# KiCad board panel_rp2350_20x20_temp.kicad_pcb (continued)
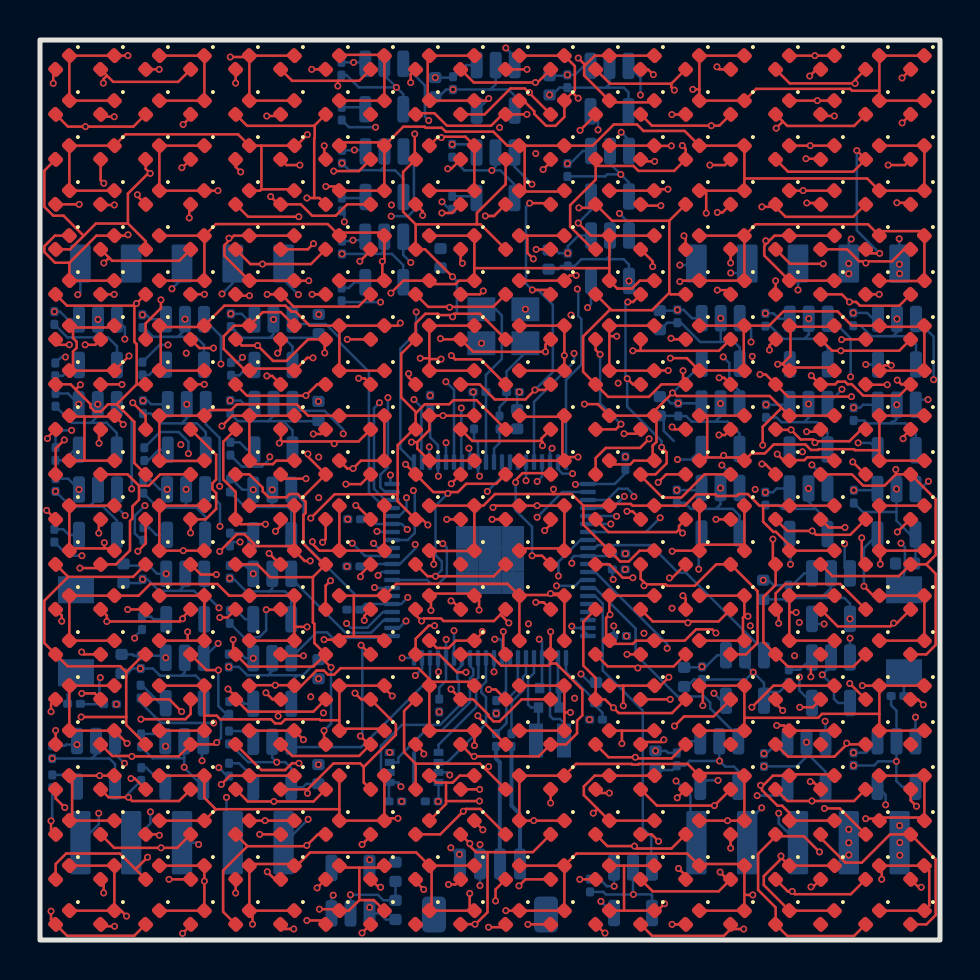
[diagram p0: board, top side]
## Routing (per net, layer and track width the routed paths; a pad name or vN(x,y) marks a point on that pad's centre or on a via; arc(x,y) is an arc through that point) (continued)
Net-(D201-A): length 110.9
  Top w0.127: D216.2 22.81,22.81 21.31,22.81 20.89,22.4 20.39,22.4 ; v1(20.57,29.22) 20.76,29.03 22.03,29.03 D217.2 ; D218.2 22.66,31.66 20.48,31.66 ; v1(18.28,23.78) D205.2 19.67,22.4 20.39,22.4 ; D203.2 19.41,31.66 20.48,31.66 ; D201.2 18.84,41.34 19.72,41.34 20.34,40.71 22.56,40.71 23.12,41.28 D220.2 v1(24.35,41.28) ; D213.2 21.89,11.17 v1(21.89,11.21) ; v1(19.13,36.23) 19.13,36.43 D202.2 ; 20.48,31.66 v1(20.48,31.63) ; v1(22.43,0.64) 23.14,0.64 D211.2 ; 20.39,22.4 v1(20.39,22.33) ; v1(18.43,28.32) 18.43,28.13 D204.2 ; v1(19.19,9.3) 19.19,9.37 D208.2 ; v1(19.73,15.72) 19.44,15.72 18.78,15.06 D207.2 19.96,14.28 20.85,13.39 v1(21.3,13.39) ; D219.2 22.7,36.2 v1(22.27,36.2) ; v1(23.16,15.42) 23.16,14.4 D214.2 ; D209.2 20.01,5.28 v1(21.16,6.44) 21.28,6.55 22.01,6.55 D212.2 ; D206.2 19.38,18.19 v1(19.78,18.19) 22.69,18.19 D215.2
  In3.Cu w0.127: v1(19.73,15.72) 19.91,15.9 19.91,18.05 v1(19.78,18.19) ; 20.57,29.22 v1(20.57,29.22) ; 20.57,29.22 20.42,29.07 20.42,28.85 19.07,27.51 19.07,24.57 v1(18.28,23.78) ; 20.57,29.22 20.57,30.54 20.27,30.84 20.27,31.42 v1(20.48,31.63) 22.27,33.42 v1(22.27,36.2) 23.98,37.91 23.98,40.91 v1(24.35,41.28) ; v1(19.19,9.3) 19.19,13.22 19.75,13.77 20.92,13.77 v1(21.3,13.39) ; v1(21.89,11.21) 21.17,10.49 21.17,6.45 v1(21.16,6.44) 21.11,6.39 21.11,4.68 21.34,4.45 21.34,2.71 21.12,2.49 21.12,1.95 v1(22.43,0.64)
  In4.Cu w0.127: v1(21.89,11.21) 19.98,9.3 v1(19.19,9.3) ; v1(20.57,29.22) 20.57,29 19.88,28.32 v1(18.43,28.32) ; v1(23.16,15.42) 23.16,14.88 21.67,13.39 v1(21.3,13.39) ; v1(22.27,36.2) 22.04,35.97 19.39,35.97 v1(19.13,36.23) ; v1(18.28,23.78) 18.12,23.94 14.25,23.94 13.99,23.69 13.05,23.69 12.58,24.16 v1(11.49,24.16)
  Bottom w0.127: v1(20.39,22.33) 19.77,21.71 19.77,19.24 20.09,18.93 20.09,18.5 v1(19.78,18.19) ; v1(11.49,24.16) 11.49,24.07 11.1,23.67 10.09,23.67 R19.2
Net-(D221-A): length 111.9
  Top w0.127: 22.38,4.39 22.38,1.39 21.78,0.79 v1(21.75,0.79) 21.04,0.79 D230.2 ; 22.38,4.39 24.64,4.39 D232.2 ; 22.38,4.39 21.8,4.39 21.49,4.7 v1(21.49,4.82) 21.49,4.82 D229.2 ; v1(25.53,15.42) D234.2 25.53,13.82 ; D238.2 25.31,32.5 v1(24.62,32.5) ; D237.2 25.25,27.5 v1(24.74,27.5) 24.27,27.03 22.74,27.03 21.98,27.78 D224.2 ; D221.2 22.23,41.28 23.52,42.58 24.24,42.58 24.45,42.36 ; D235.2 25.1,19.21 v1(24.6,19.21) ; 25.53,13.82 25.43,13.72 23.06,13.72 22.49,14.28 D227.2 ; 25.53,13.82 25.81,13.82 27.12,12.52 27.12,11.23 26.85,10.97 26.85,10.33 26.3,9.78 D233.2 24.93,9.18 v1(21.71,9.18) 21.63,9.18 D228.2 ; D231.2 v1(24.4,0.78) ; v1(20.56,22.81) D225.2 ; D236.2 25.47,23.34 24.12,23.34 23.78,23 v1(23.78,22.88) ; v1(24.47,42.38) 24.45,42.36 ; 24.45,42.36 D240.2 ; D239.2 25.47,36.84 v1(24.48,36.84) ; D222.2 20.6,36.35 v1(20.09,36.35) ; D223.2 21.99,32.28 v1(22.16,32.45)
  In3.Cu w0.127: v1(24.48,36.84) 24.23,37.1 24.23,39.67 24.72,40.16 24.72,41.96 24.47,42.2 v1(24.47,42.38) ; v1(24.6,19.21) 24.37,18.97 24.37,16.58 v1(25.53,15.42) ; v1(23.78,22.88) 23.78,26.54 v1(24.74,27.5) ; v1(21.71,9.18) 21.59,9.06 21.59,4.92 v1(21.49,4.82)
  In4.Cu w0.127: v1(7.42,24.32) 8.16,23.58 12.8,23.58 12.95,23.43 14.4,23.43 14.67,23.16 17.09,23.16 17.44,22.81 18.48,22.81 18.57,22.9 18.75,22.9 18.85,22.81 v1(20.56,22.81) 23.71,22.81 v1(23.78,22.88) ; v1(24.48,36.84) 20.59,36.84 v1(20.09,36.35) ; v1(22.16,32.45) 22.21,32.5 v1(24.62,32.5) ; v1(24.4,0.78) 24.17,1 21.96,1 v1(21.75,0.79)
  Bottom w0.127: R20.2 6,25.4 6.93,25.4 7.42,24.91 v1(7.42,24.32) ; v1(24.74,27.5) 25.64,28.4 25.64,31.76 24.9,32.5 v1(24.62,32.5) 24.3,32.82 24.3,36.66 v1(24.48,36.84) ; v1(24.6,19.21) 24.6,20.66 23.78,21.49 v1(23.78,22.88)
Net-(D241-A): length 136.6
  Top w0.127: v1(31.6,25.65) 31.73,25.53 D256.2 ; D250.2 v1(26.99,3.03) ; 31.95,20.52 v1(32.13,20.35) ; 31.95,20.52 31.95,20.7 D255.2 ; 31.95,20.52 31.83,20.4 28.42,20.4 D246.2 ; v1(31.55,30.09) 31.61,30.03 D257.2 ; 31.56,42.81 D260.2 ; 31.56,42.81 31.56,42.65 v1(31.72,42.49) ; 31.56,42.81 28.5,42.81 D241.2 ; v1(31.93,3.57) 32.28,3.22 D251.2 ; D245.2 28.79,25.53 v1(29.05,25.79) ; v1(32.12,39.72) 32.28,39.56 D259.2 31.71,38.46 29.92,38.46 29.68,38.7 27.78,38.7 ; 27.78,38.7 27.78,38.02 26.51,36.74 26.51,35.67 27.65,34.53 D243.2 ; 27.78,38.7 D242.2 ; v1(32.15,17.22) 32.28,17.08 D254.2 ; v1(28.46,7.35) 27.97,7.35 D249.2 ; D253.2 31.6,11.35 28.94,11.35 v1(28.67,11.61) 28.25,12.03 D248.2 27.78,13.1 27.17,13.72 27.17,15.92 D247.2 ; D252.2 v1(31.86,7.11) ; v1(28.01,29.28) 27.78,29.51 D244.2 ; D258.2 32.28,35.13 v1(32.2,35.21)
  In3.Cu w0.127: 32.39,30.76 32.39,35.01 v1(32.2,35.21) 32.12,35.29 v1(32.12,39.72) 32.12,42.09 v1(31.72,42.49) ; 32.39,30.76 32.22,30.76 v1(31.55,30.09) ; 32.39,30.76 32.57,30.58 32.57,26.62 v1(31.6,25.65) 32.26,25 32.26,20.48 v1(32.13,20.35) 32.32,20.16 32.32,17.39 v1(32.15,17.22) ; v1(28.46,7.35) 28.67,7.56 v1(28.67,11.61) 28.42,11.86 28.42,14.86 27.86,15.42 27.86,24.6 v1(29.05,25.79) ; v1(31.86,7.11) 31.93,7.04 v1(31.93,3.57)
  In4.Cu w0.127: v1(1.58,25.48) 2.78,25.48 3.49,26.19 18.46,26.19 20.44,24.21 23.62,24.21 24.58,25.18 28.43,25.18 v1(29.05,25.79) 31.46,25.79 v1(31.6,25.65) ; v1(28.46,7.35) 28.7,7.11 v1(31.86,7.11) ; v1(31.93,3.57) 27.53,3.57 v1(26.99,3.03)
  Bottom w0.127: v1(29.05,25.79) 28.01,26.84 v1(28.01,29.28) ; R21.2 0.77,25.16 1.1,25.48 v1(1.58,25.48)
Net-(D261-A): length 127.5
  Top w0.127: v1(34,3.39) 34.37,3.03 D271.2 33.93,2.43 30.63,2.43 D270.2 ; D277.2 34.52,30.03 33.95,29.46 30.03,29.46 ; v1(33.95,25.25) 34.25,25.25 D276.2 ; D278.2 v1(34.53,33.85) ; D267.2 30.64,15.93 32.4,15.93 ; v1(29.2,25.31) 29.81,25.31 D265.2 ; v1(29.35,21.44) 29.63,21.44 D266.2 ; 32.4,15.93 v1(32.4,15.86) ; 32.4,15.93 33.93,15.93 D274.2 ; v1(31.72,10.7) 32.2,11.18 33.68,11.18 D273.2 ; v1(30.67,43.27) 30.4,43.53 D261.2 ; D272.2 v1(33.72,6.72) 30.84,6.72 D269.2 ; D263.2 30.63,33.93 v1(30.63,33.67) ; 30.03,29.46 D264.2 ; 30.03,29.46 v1(29.64,29.46) ; v1(30.73,38.93) 30.13,38.93 D262.2 ; v1(33.85,43.66) 33.98,43.53 D280.2 ; v1(33.49,38.75) 34.25,38.75 D279.2 ; D275.2 v1(33.8,21.03) ; D268.2 v1(31.51,12.03)
  In3.Cu w0.127: 31.59,12.03 31.72,11.89 v1(31.72,10.7) 32.33,10.09 32.33,8.12 v1(33.72,6.72) 34,6.44 v1(34,3.39) ; 31.59,12.03 v1(31.51,12.03) ; 31.59,12.03 32.4,12.84 v1(32.4,15.86) 32.57,16.03 32.57,19.8 v1(33.8,21.03) 33.64,21.19 33.64,24.94 v1(33.95,25.25) ; 30.67,38.93 30.67,33.7 v1(30.63,33.67) 30.63,32.77 30.01,32.14 30.01,29.9 29.64,29.53 v1(29.64,29.46) 28.91,28.72 v1(28.91,27.84) 29.43,27.32 29.43,25.63 29.2,25.39 v1(29.2,25.31) 28.6,24.71 28.6,21.92 28.97,21.55 29.24,21.55 v1(29.35,21.44) ; 30.67,38.93 v1(30.73,38.93) ; 30.67,38.93 v1(30.67,43.27)
  In4.Cu w0.127: v1(1.27,29.15) 1.98,28.44 8,28.44 8.73,29.18 9.56,29.18 10.17,28.57 11.57,28.57 11.7,28.44 14.6,28.44 14.61,28.46 17.57,28.46 18.08,27.95 19.46,27.95 19.87,27.54 20.87,27.54 21.2,27.87 28.89,27.87 v1(28.91,27.84) ; v1(33.49,38.75) 33.31,38.93 v1(30.73,38.93) ; v1(33.85,43.66) 31.06,43.66 v1(30.67,43.27) ; v1(29.2,25.31) 29.31,25.42 31.17,25.42 31.34,25.25 v1(33.95,25.25) ; v1(30.63,33.67) 30.92,33.38 33.78,33.38 34.25,33.85 v1(34.53,33.85)
  Bottom w0.127: v1(1.27,29.15) 1.06,29.15 R22.2
Net-(D281-A): length 110.8
  Top w0.127: v1(26.94,36.61) 27.61,36.61 D282.2 28.6,35.96 31.46,35.96 ; D294.2 31.68,13.68 29.89,13.68 ; D293.2 31.58,9.08 29.82,9.08 v1(29.77,9.14) 28.43,9.14 D288.2 ; 28.52,31.54 28.58,31.49 30.6,31.49 31.46,32.36 ; 28.52,31.54 27.16,30.18 27.16,28.41 D284.2 28.41,27.16 30.45,27.16 31.07,27.78 32.15,27.78 ; 28.52,31.54 D283.2 ; D292.2 31.57,4.57 29.85,4.57 v1(29.72,4.7) 28.37,4.7 D289.2 ; 31.46,35.96 31.46,35.96 D299.2 ; 31.46,35.96 31.46,32.36 ; 31.46,32.36 31.54,32.28 D298.2 ; v1(29.64,18.11) 29.14,18.11 28.47,18.78 D286.2 ; v1(28.25,0.35) 28.22,0.35 D290.2 ; D281.2 27.78,41.26 v1(27,40.48) ; 32.15,27.78 v1(32.15,28.46) ; 32.15,27.78 D297.2 ; D285.2 27.78,24.1 28.29,24.6 30,24.6 v1(30.46,25.06) ; v1(30.91,22.88) 31.31,23.28 D296.2 ; D300.2 32.27,41.27 v1(31.59,41.27) ; D291.2 v1(31.6,0.78) ; v1(31.47,18.1) 31.6,18.1 D295.2 ; 29.89,13.68 28.39,13.68 D287.2 ; 29.89,13.68 v1(29.89,13.6)
  In3.Cu w0.127: 30.69,25.06 30.69,27 v1(32.15,28.46) ; 30.69,25.06 v1(30.46,25.06) ; 30.69,25.06 30.69,23.1 v1(30.91,22.88) 30.58,22.55 30.58,21.02 31.06,20.54 31.06,18.52 v1(31.47,18.1) ; 29.77,13.47 v1(29.89,13.6) ; 29.77,13.47 29.52,13.47 28.67,14.32 28.67,14.97 28.11,15.53 28.11,16.58 v1(29.64,18.11) ; 29.77,13.47 v1(29.77,9.14) 29.77,4.74 v1(29.72,4.7) 31.6,2.82 v1(31.6,0.78) ; v1(27,40.48) 26.94,40.42 v1(26.94,36.61)
  In4.Cu w0.127: v1(31.47,18.1) 29.65,18.1 v1(29.64,18.11) ; v1(27,40.48) 27.79,41.27 v1(31.59,41.27) ; v1(31.6,0.78) 28.69,0.78 v1(28.25,0.35) ; v1(15.22,35.91) 15.43,35.7 26.03,35.7 v1(26.94,36.61)
  Bottom w0.127: R23.2 15.22,36.33 v1(15.22,35.91)
Net-(D301-A): length 117.1
  Top w0.127: 30.29,17.8 30.03,18.06 D306.2 ; 30.29,17.8 v1(30.2,17.71) ; 30.29,17.8 30.31,17.78 31.28,17.78 31.35,17.71 32.74,17.71 33.81,18.78 D315.2 35.88,17.44 35.88,14.86 35.3,14.28 D314.2 ; D320.2 33.97,40.72 v1(33.56,40.72) 30.6,40.72 D301.2 ; v1(31.08,24.63) 31.33,24.38 31.33,23.83 30.78,23.28 D305.2 30.03,23.22 31.12,22.12 32.07,22.12 33.23,23.28 D316.2 ; v1(30.93,4.94) 30.58,5.28 D309.2 ; D302.2 30.1,36.72 v1(31.04,36.72) ; D308.2 30.15,9.9 31.08,9.9 v1(31.19,10.01) ; D307.2 v1(29.35,14.28) ; 34.53,0.55 34.19,0.21 30.61,0.21 D310.2 ; 34.53,0.55 D311.2 ; 34.53,0.55 v1(35.19,0.55) ; v1(34.53,4.59) D312.2 ; D318.2 34.32,32.49 v1(33.86,32.49) ; v1(29.39,31.9) 29.65,31.9 D303.2 ; D317.2 34.2,28.11 v1(33.96,28.11) ; v1(29.36,28.07) 29.65,27.78 D304.2 ; D319.2 34.13,36.38 v1(33.86,36.38)
  In3.Cu w0.127: v1(29.36,28.07) 29.7,27.73 29.7,25.53 29.58,25.42 29.58,24.7 29.64,24.64 29.64,23.47 28.85,22.68 28.85,22.03 29.07,21.8 29.5,21.8 29.82,21.49 29.82,19.94 30.2,19.56 v1(30.2,17.71) v1(30.2,15.34) 30.26,15.28 30.26,10.94 v1(31.19,10.01) 31.19,5.2 v1(30.93,4.94) ; v1(33.96,28.11) 34.52,28.68 34.52,31.83 v1(33.86,32.49) v1(33.86,36.38) 33.86,40.42 v1(33.56,40.72) ; v1(35.19,0.55) 34.53,1.2 v1(34.53,4.59)
  In4.Cu w0.127: v1(33.86,36.38) 33.53,36.72 v1(31.04,36.72) ; v1(17.03,31.89) 17.61,31.89 17.71,32 29.29,32 v1(29.39,31.9) 33.27,31.9 v1(33.86,32.49) ; v1(30.2,15.34) 29.35,14.49 v1(29.35,14.28) ; v1(34.53,4.59) 31.27,4.59 v1(30.93,4.94)
  Bottom w0.127: R24.2 15.15,31.89 v1(17.03,31.89) ; v1(29.39,31.9) 29.28,31.79 29.28,28.15 v1(29.36,28.07) 29.36,26.67 31.08,24.95 v1(31.08,24.63)
Net-(D321-A): length 132.5
  Top w0.127: D338.2 41.48,34.33 v1(41.99,34.33) ; D321.2 37.48,42.83 v1(40.75,42.83) 40.75,43 D340.2 ; D335.2 40.51,20.26 38.8,20.26 v1(38.61,20.45) 37.36,20.45 D326.2 ; D328.2 36.78,11.83 v1(37.14,11.48) ; D322.2 37.4,38.42 40.67,38.42 D339.2 v1(40.84,39.47) ; v1(40.49,12.83) D333.2 ; D323.2 37.51,33.81 v1(39.16,33.81) ; D334.2 40.01,17.8 37.25,17.8 36.78,17.33 D327.2 36.93,16.38 v1(36.93,15.83) ; D329.2 37.36,6.95 v1(38.6,6.95) 40.7,6.95 D332.2 ; v1(36.47,29.5) 36.47,29.72 D324.2 ; D337.2 40.09,30.03 v1(40.08,30.02) ; 38.75,24.94 38.66,25.03 38.03,25.03 v1(37.55,25.51) 36.81,25.51 D325.2 ; 38.75,24.94 v1(38.75,24.87) ; 38.75,24.94 40.47,24.94 41.07,25.53 D336.2 ; D330.2 37.38,2.43 v1(37.61,2.43) 37.75,2.29 40.54,2.29 D331.2
  In3.Cu w0.127: v1(40.84,39.47) 40.75,39.56 v1(40.75,42.83) ; v1(39.16,33.81) 38.69,33.81 37.46,32.58 37.46,30.49 v1(36.47,29.5) 36.47,28.47 37.55,27.39 v1(37.55,25.51) ; v1(37.61,2.43) 38.6,3.42 v1(38.6,6.95) ; v1(36.93,15.83) 36.93,11.68 v1(37.14,11.48) ; v1(38.75,24.87) 38.97,24.64 38.97,20.81 v1(38.61,20.45) 38.61,14.7 v1(40.49,12.83)
  In4.Cu w0.127: v1(38.6,6.95) 38.88,7.23 38.88,8.18 37.52,9.54 37.52,11.09 v1(37.14,11.48) 38.44,12.78 40.44,12.78 v1(40.49,12.83) ; v1(41.99,34.33) 39.69,34.33 v1(39.16,33.81) ; v1(10.12,29.13) 11.37,29.13 11.81,28.69 14.49,28.69 14.51,28.71 19.18,28.71 20.55,30.08 20.79,30.08 21.26,30.55 31.6,30.55 31.88,30.27 35.69,30.27 v1(36.47,29.5) 39.43,29.5 39.89,29.04 40.16,29.04 40.42,29.3 40.42,29.68 v1(40.08,30.02)
  Bottom w0.127: R25.2 9.87,28.88 v1(10.12,29.13) ; v1(41.99,34.33) 40.84,35.48 v1(40.84,39.47)
Net-(D341-A): length 141
  Top w0.127: v1(42.87,20.4) 43.5,21.03 D355.2 ; 40.04,29.46 42.96,29.46 D357.2 ; 40.04,29.46 v1(40.04,29.46) ; 40.04,29.46 39.6,29.46 D344.2 ; 41.29,33.93 42.6,33.93 43.2,34.53 D358.2 ; 41.29,33.93 40.96,33.93 40.36,34.53 D343.2 ; 41.29,33.93 v1(41.29,33.85) ; D346.2 39.44,20.63 v1(40.25,20.63) ; D341.2 38.82,43.53 v1(38.49,43.2) ; D356.2 43.15,25.15 v1(43.15,25.06) ; D348.2 38.64,11.64 v1(37.99,11.64) ; v1(38.51,7.92) 38.64,7.92 D349.2 ; v1(38.33,25.41) 38.91,25.41 D345.2 ; D347.2 39.88,15.68 42.52,15.68 v1(42.68,15.85) 42.85,15.85 D354.2 ; v1(38.3,39.06) 39,39.06 D342.2 ; D352.2 43.53,6.98 v1(43.82,6.69) ; v1(38.55,2.65) 38.65,2.65 D350.2 ; v1(44.06,2.64) 43.93,2.64 D351.2 ; v1(44.16,11.76) 43.89,12.03 D353.2 ; D360.2 v1(43.1,43.1) ; v1(42.41,38.75) 43.25,38.75 D359.2
  In3.Cu w0.127: 41.29,38.27 41.93,38.27 v1(42.41,38.75) ; 41.29,38.27 39.42,40.14 38.49,40.14 ; 41.29,38.27 v1(41.29,33.85) 41.29,30.71 v1(40.04,29.46) 39.17,28.59 39.17,26.25 v1(38.33,25.41) 38.72,25.41 40,24.14 40,20.88 v1(40.25,20.63) ; v1(38.3,39.06) 38.12,39.24 38.12,39.86 38.4,40.14 38.49,40.14 ; v1(38.49,43.2) 38.49,40.14 ; v1(37.99,11.64) 37.94,11.58 37.94,8.5 v1(38.51,7.92) ; v1(43.15,25.06) 43.23,24.98 43.23,20.77 v1(42.87,20.4) 42.68,20.22 42.68,19 42.7,18.98 42.7,15.86 v1(42.68,15.85) 42.68,13.24 v1(44.16,11.76) 44.16,6.79 44.06,6.69 ; 44.06,6.69 v1(43.82,6.69) ; 44.06,6.69 v1(44.06,2.64)
  In4.Cu w0.127: v1(42.87,20.4) 42.64,20.63 v1(40.25,20.63) ; v1(38.55,2.65) 38.99,3.1 39.93,3.1 40.39,2.64 v1(44.06,2.64) ; v1(40.04,29.46) 38.91,30.6 31.92,30.6 31.71,30.81 21.16,30.81 20.8,30.45 7.1,30.45 v1(6.4,29.76) ; v1(38.49,43.2) 43.01,43.2 v1(43.1,43.1) ; v1(37.99,11.64) 39.05,10.58 43.8,10.58 44.16,10.94 v1(44.16,11.76)
  Bottom w0.127: R26.2 5.99,29.76 v1(6.4,29.76)
Net-(D361-A): length 125.5
  Top w0.127: v1(40.57,27.17) 37.4,27.17 D364.2 36.29,28.28 v1(36,28.28) ; D375.2 41.09,18.98 v1(41.09,20.11) ; v1(42.36,27.76) 41.3,27.76 D377.2 ; D372.2 39.98,6.58 v1(39.22,6.58) ; D371.2 40.7,0.2 37.36,0.2 D370.2 36.78,1.63 35.91,2.5 35.91,4.31 36.78,5.19 ; v1(40.34,9.84) 40.34,9.78 ; 40.34,9.78 D373.2 ; 40.34,9.78 39.72,9.17 37.4,9.17 D368.2 ; v1(36.65,20.04) 36.65,18.92 D366.2 36.78,17.76 36.17,17.15 36.17,14.9 D367.2 37.39,13.67 38.54,13.67 ; v1(40.64,23.9) 41.26,23.28 D376.2 ; 36.78,5.19 D369.2 ; 36.78,5.19 38.19,5.19 v1(38.97,4.4) ; v1(36.1,23.8) 36.26,23.8 D365.2 ; v1(36.81,40.59) 37.14,40.92 ; 37.14,40.92 37.36,40.7 40.7,40.7 D380.2 ; 37.14,40.92 D361.2 ; D374.2 40.67,13.67 38.54,13.67 ; 38.54,13.67 v1(38.54,13.16) ; 36.78,36.66 37.28,36.16 40.66,36.16 D379.2 ; 36.78,36.66 v1(36.09,36.66) ; 36.78,36.66 D362.2 ; v1(36.78,32.96) D363.2 ; D378.2 v1(41.96,32.28)
  In3.Cu w0.127: v1(38.97,4.4) 39.22,4.65 v1(39.22,6.58) 39.22,8.73 v1(40.34,9.84) 40.34,11.37 v1(38.54,13.16) ; v1(36.81,40.59) 36.81,37.37 v1(36.09,36.66) 36.78,35.97 v1(36.78,32.96) 36.78,30.35 36,29.57 v1(36,28.28) 35.77,28.05 35.77,24.13 v1(36.1,23.8) ; v1(41.09,20.11) 41.09,23.45 v1(40.64,23.9) 41.27,24.54 41.27,26.55 40.65,27.17 v1(40.57,27.17)
  In4.Cu w0.127: v1(41.09,20.11) 41,20.2 40.08,20.2 39.92,20.04 v1(36.65,20.04) ; v1(16.78,40.64) 17.79,41.65 27.05,41.65 28.02,42.62 30.26,42.62 30.76,42.12 35.28,42.12 v1(36.81,40.59) ; v1(40.57,27.17) 41.17,27.76 v1(42.36,27.76) ; v1(36.78,32.96) 38.02,32.96 38.69,32.28 v1(41.96,32.28)
  Bottom w0.127: R27.2 15.45,40.64 v1(16.78,40.64)
Net-(D381-A): length 94.4
  Top w0.127: v1(38.56,28.22) 39,27.78 D384.2 39.75,27.78 39.89,27.92 40.25,27.92 40.38,27.79 40.59,27.79 41.16,27.22 42.97,27.22 D397.2 43.07,27.78 v1(42.86,27.99) ; D382.2 38.96,36.85 v1(38.34,36.85) ; D381.2 39.11,41.2 v1(39.72,41.2) ; D385.2 40.59,23.28 41.16,22.72 42.23,22.72 42.79,23.28 ; v1(43.1,40.85) D400.2 ; D383.2 40.09,32.28 v1(40.47,31.9) 40.81,31.9 41,31.71 42.96,31.71 D398.2 ; D389.2 39.03,5.1 40.27,3.87 41.09,3.87 42.5,5.28 D392.2 44.78,4.03 44.78,1.24 44.32,0.78 D391.2 ; D386.2 39.62,18.2 42.95,18.2 D395.2 44.31,18.78 ; 42.79,23.28 D396.2 44.78,22.03 44.78,19.25 44.31,18.78 ; 42.79,23.28 v1(42.79,23.52) ; D394.2 44.31,14.28 44.78,14.75 44.78,18.31 44.31,18.78 ; v1(42.84,36.86) 43.45,36.86 D399.2
  In3.Cu w0.127: 39.57,31.9 v1(40.47,31.9) ; 39.57,31.9 39.57,35.62 v1(38.34,36.85) ; 39.57,31.9 39.57,31.35 38.56,30.35 v1(38.56,28.22) ; v1(42.79,23.52) 42.43,23.89 42.43,27.31 42.86,27.74 v1(42.86,27.99) ; v1(43.1,40.85) 42.84,40.59 v1(42.84,36.86)
  In4.Cu w0.127: v1(38.34,36.85) 38.34,36.86 ; 38.34,36.86 v1(42.84,36.86) ; 38.34,36.86 38.11,37.09 24.87,37.09 24.75,37.21 20.4,37.21 v1(20.1,36.91) ; v1(39.72,41.2) 42.76,41.2 v1(43.1,40.85)
  Bottom w0.127: R28.2 20.46,36.55 v1(20.1,36.91)
Net-(R2-Pad1): length 1.2
  Bottom w0.127: SW2.1 43.19,13.36 R2.1
Net-(U2-USB_DM): length 4.1
  Bottom w0.127: R8.2 23.58,11.9 24.14,12.47 24.14,12.48 24.15,12.49 24.15,13.15 24.3,13.31 U2.66
Net-(U2-USB_DP): length 4.2
  Bottom w0.127: U2.67 23.9,13.65 23.89,13.64 23.89,12.57 23.32,12 23.32,10.84 R7.2

## Copper pours and planes (outline as drawn; the poured copper is in the pictures)
+1V1 on Bottom: 23.9,12.08 23.9,11.42 24.15,11.17 24.35,11.17 24.55,11.38 24.75,11.38 24.75,11.22 24.45,10.92 24.45,9.12 25.15,9.12 25.15,11.89 25.05,11.89 25.05,12.08 24.5,12.08 24.3,12.28 24.1,12.28
+5V on In2.Cu: 0,45 0,0 45,0 45,45
GND on Bottom: 25.8,14.12 25.8,11.38 26.6,11.38 26.9,11.67 26.9,12.42 26,13.33 26,14.12
GND on In1.Cu: 0,45 0,0 45,0 45,45
/panel_mcu/VREG_LX on Bottom: 25.4,14.03 25.4,13.22 25.35,13.17 25.35,11.03 25.85,10.53 25.85,9.12 26.55,9.12 26.55,10.83 26.25,11.12 25.8,11.12 25.65,11.28 25.65,13.17 25.6,13.22 25.6,14.03

Small or netless copper shapes (teardrops, artwork), in the pictures only: 1 on Bottom
